# Altium PCB 拼板.PcbDoc (part 1 of 2)
Units mm, origin at the board's own origin, x right, y up, seen from the top; angles counter-clockwise.
Board outline 100 x 100 mm, 2 copper layers (Top Layer, Bottom Layer); 133 components, 40 nets, 713 pads, 79 vias.
Unrouted connection lines stored in the file: 32.
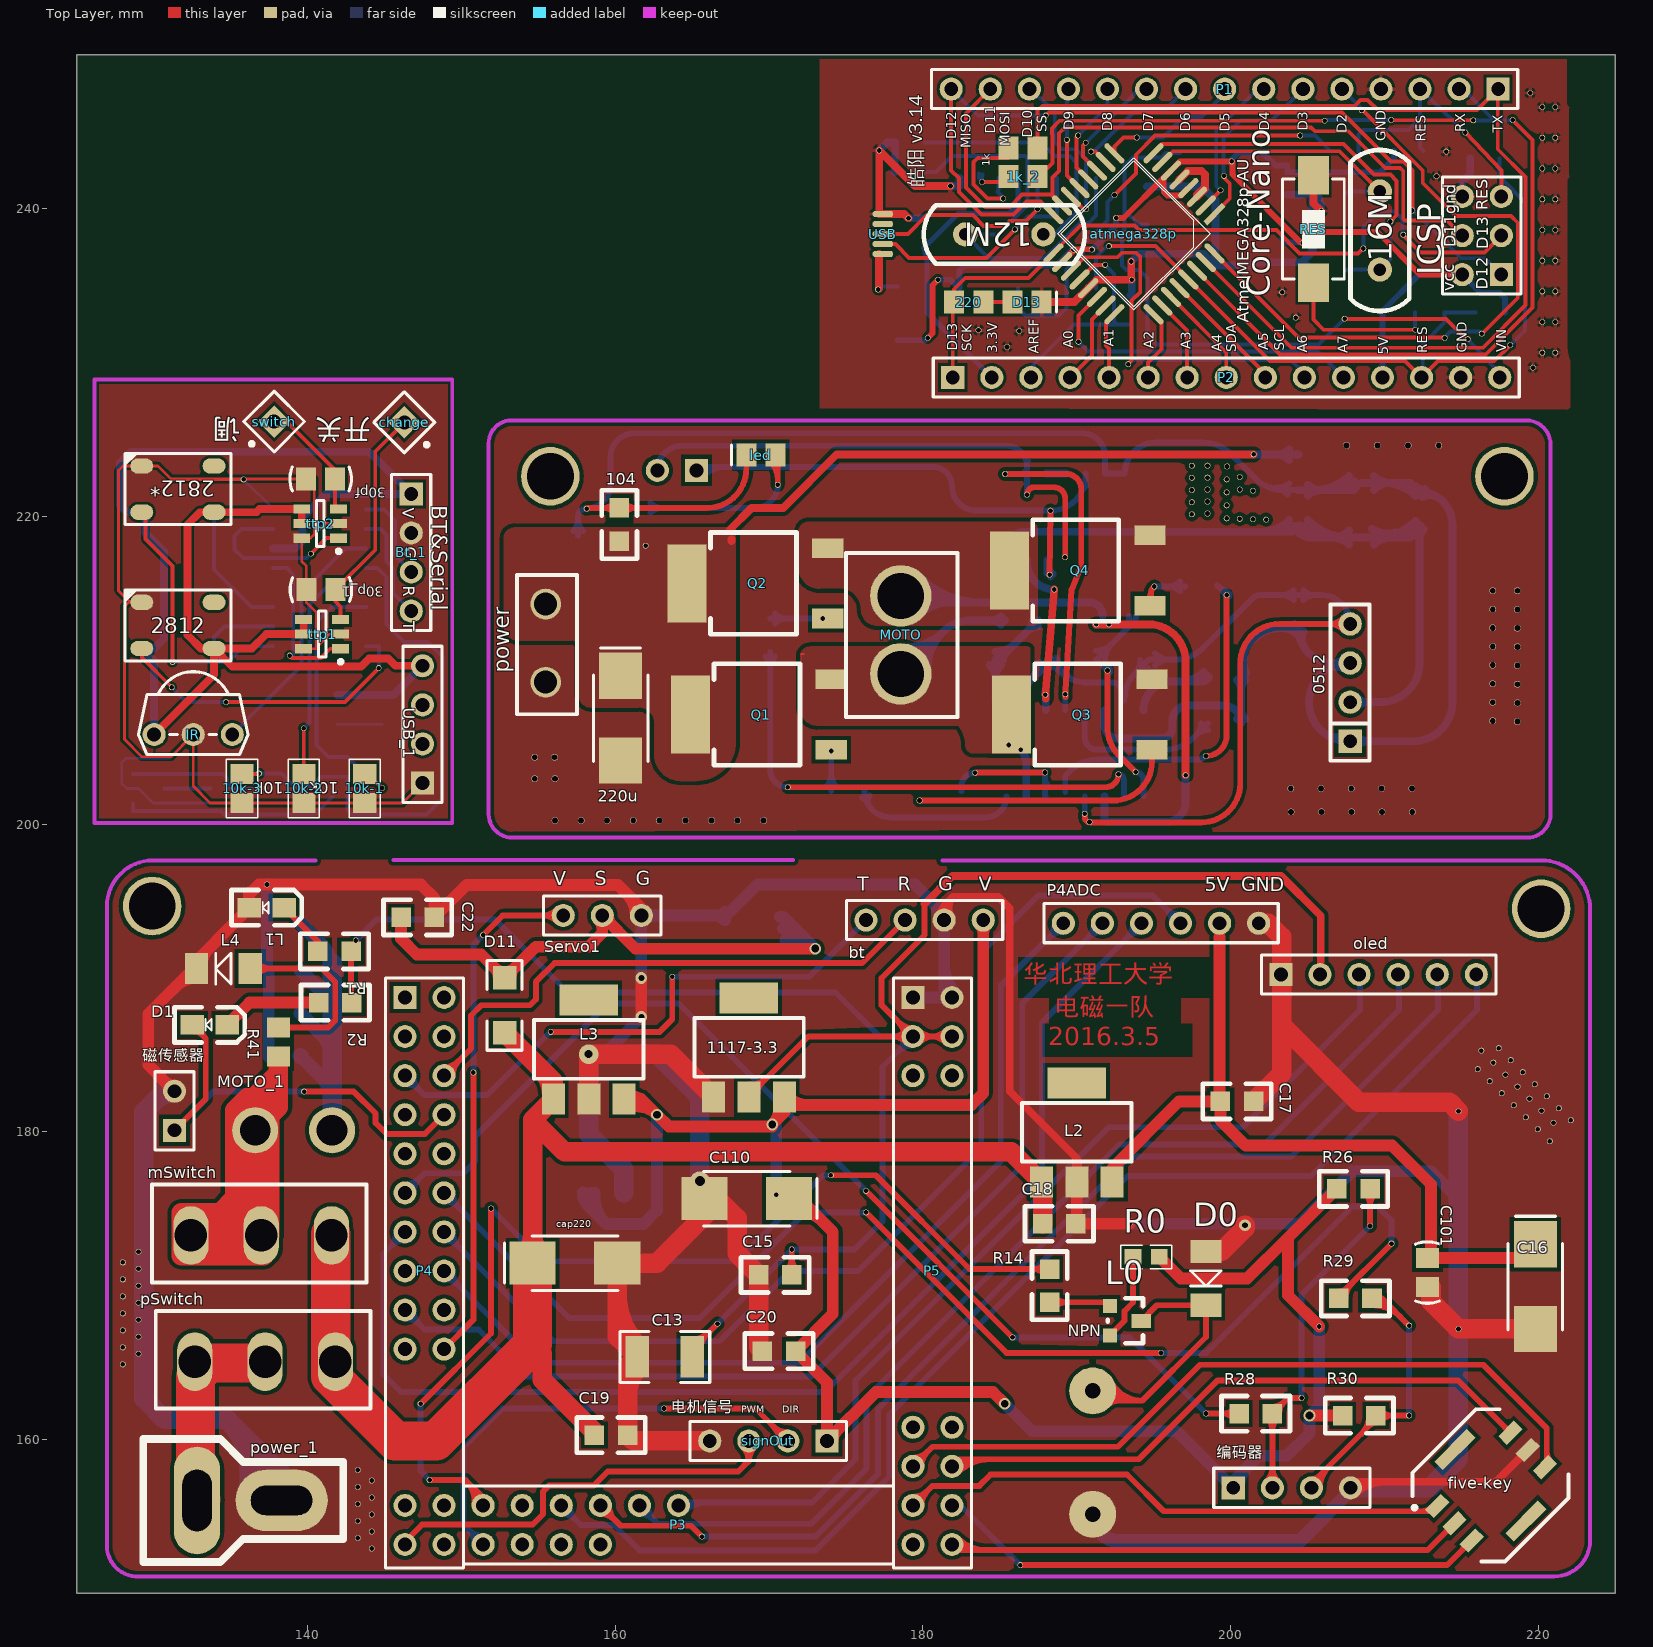
[diagram p0: Top Layer view]
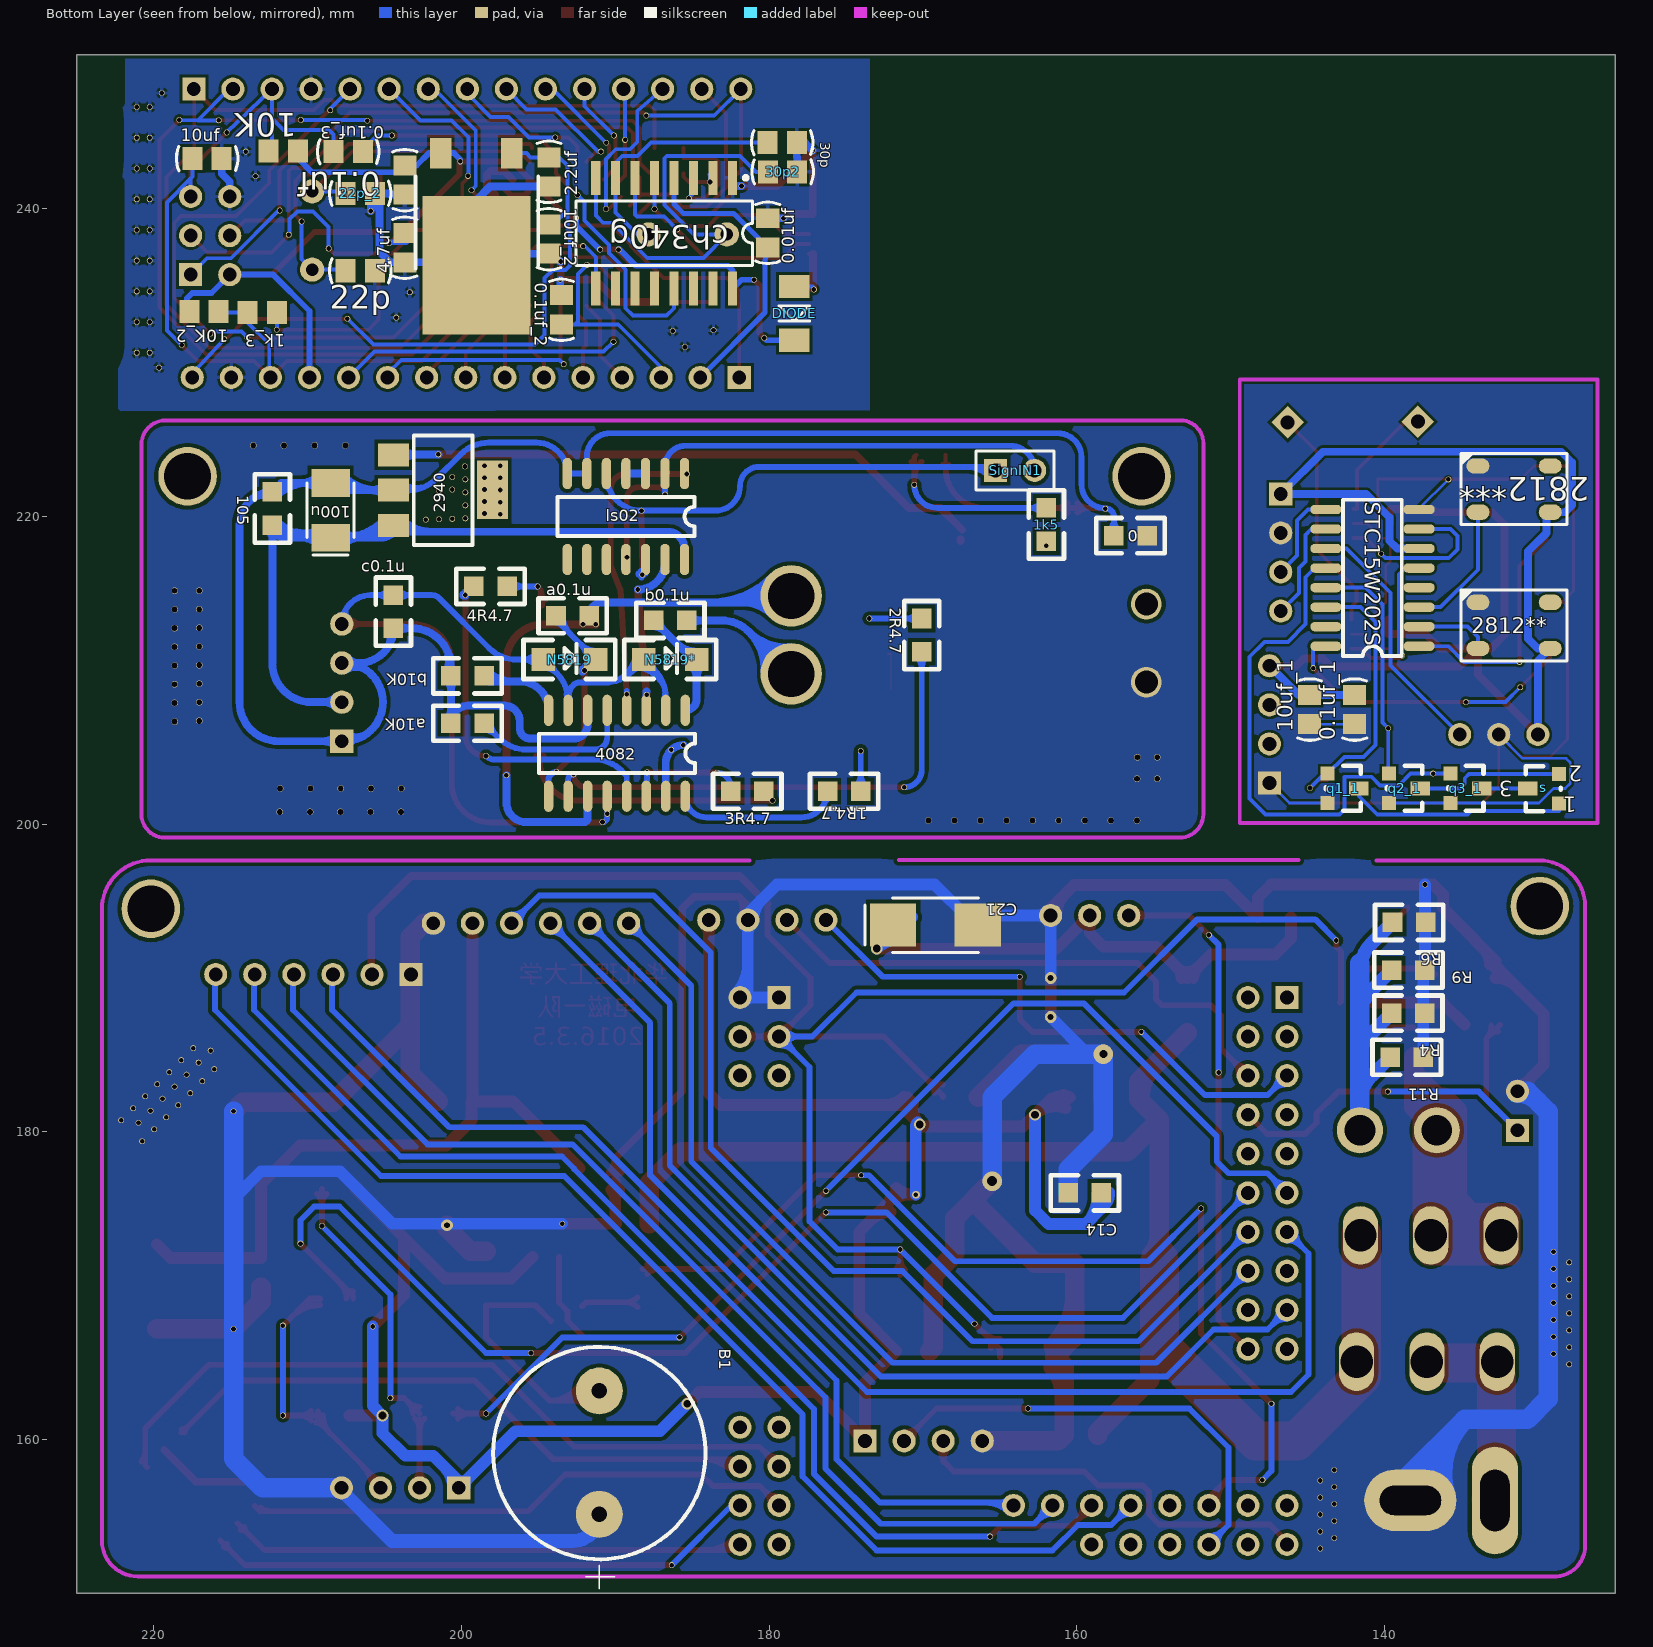
[diagram p1: Bottom Layer view, seen from below]

## Layer stack, top to bottom
Top Layer: signal copper 0.0356
Dielectric: dielectric 0.32, FR-4, Dk 4.8
Bottom Layer: signal copper 0.0356

## Board outline
125,250 225,250 225,150 125,150

## Design rules (kind name [scope] priority, off if disabled: settings)
Clearance [All] p1: gap=0.178
ComponentClearance [All] p1 off: gap=0.254 collisioncheckmode=3 verticalgap=0.254 showdistances=FALSE
PolygonConnect [All] p1: connectstyle=Relief reliefconductorwidth=0.254 reliefentries=4 polygonreliefangle="90 Angle"
RoutingVias [All] p1: holewidth=0.305 width=0.381 viastyle="Through Hole" minholewidth=0.305 minwidth=0.381 maxholewidth=0.305 maxwidth=0.381
SilkscreenOverComponentPads [All] p1: minsilkscreentomaskgap=0.254
SolderMaskExpansion [All] p1: expansion=0.102
Width Width_3 [InNet('3.3V')] p1: maxlimit=0.33 minlimit=0.33 preferedwidth=0.33
Width Width_2 [InNet('VCC')] p2: maxlimit=0.508 minlimit=0.381 preferedwidth=0.381
Width Width_1 [InNet('GND')] p3: maxlimit=0.508 minlimit=0.508 preferedwidth=0.508
Width [InNet('VCC')] p4: maxlimit=0.381 minlimit=0.381 preferedwidth=0.381
26 further rules are at their usual default settings.

## Components (designator, comment, footprint, x,y, rotation, side; value= is the part's Value field where it differs from the comment)
0 "Res2" 0805 157.455,218.745 r180 bottom
0.01uf "Cap" C-RAD-0805 180.086,238.43 r270 bottom
0.1uf "Cap" C-RAD-0805 207.366,243.713 r180 bottom
0.1uf_1 "Cap" C-RAD-0805 141.935,207.442 r90 bottom (schematic designator 0.1uf)
0.1uf_2 "Cap" C-RAD-0805 193.497,233.426 r270 bottom
0.1uf_3 "Cap" C-RAD-0805 203.683,241.859 r270 bottom
1k "Res2" 0805-2 186.512,243.942 r0 top
1k5 "1K5" 0805 161.976,218.516 r90 bottom
1k_2 "Res2" 0805-2 186.512,242.087 r0 top
1k_3 "Res2" 0805-2 212.954,233.248 r0 bottom
1R4.7 "R1" 0805 176.073,202.133 r180 bottom
2.2uf "Cap Pol1" C-RAD-0805 194.31,242.392 r270 bottom
2R4.7 "R2" 0805 170.078,213.233 r270 bottom
3R4.7 "R3" 0805 182.372,202.133 r180 bottom
4.7uf "Cap" C-RAD-0805 203.683,237.465 r270 bottom
4R4.7 "R4" 0805 197.155,215.443 r0 bottom
10K "Res2" 0805-2 211.582,243.764 r0 bottom
10k-1 "Res2" 0805-1 143.713,202.311 r90 top
10k-2 "Res22" 0805-1 139.751,202.311 r90 top
10k-3 "Res23" 0805-1 135.738,202.311 r90 top
10K_2 "Res2" 0805-2 216.738,233.324 r0 bottom
10uf "Cap Pol1" C-RAD-0805 216.535,243.256 r180 bottom
10uf_1 "Cap Pol1" C-RAD-0805 144.856,207.442 r270 bottom (schematic designator 10uf)
10uf_2 "Cap Pol1" C-RAD-0805 194.31,238.023 r270 bottom
12M "XTAL" XTAL 187.96,238.328 r180 top
16M "XTAL" XTAL 209.702,241.249 r270 top
22p "Cap" C-RAD-0805 206.578,235.966 r180 bottom
22p_2 "Cap" C-RAD-0805 206.578,240.995 r180 bottom
30p "Cap" C-RAD-0805 179.146,244.297 r0 bottom
30p2 "Cap" C-RAD-0805 179.121,242.392 r0 bottom
30p_1 "Cap0" C-RAD-0805 140.868,215.24 r180 top (schematic designator 30p)
30pf "Cap" C-RAD-0805 140.843,222.428 r0 top
100u "Cap Pol2" CAP-3528 208.509,220.396 r90 bottom
104 "Cap" 0805 160.274,220.421 r270 top
105 "Cap" 0805 212.293,221.463 r270 bottom
220 "Res2" 0805-2 182.982,233.934 r180 top
220u "CAP 220" CAP-6032 160.35,206.883 r270 top
0512 "金盛阳" SIP4 207.772,205.384 r90 top
1117-3.3 "LM1117" SOT223 166.395,182.245 r0 top
2812 "2812" WS2812 123.917,216.408 r180 top
2812* "2812*" WS2812 123.917,225.273 r180 top
2812** "2812**" WS2812 139.217,216.408 r0 bottom
2812*** "2812***" WS2812 139.217,225.273 r0 bottom
2940 "LM2940" SOT223 204.419,224.003 r270 bottom
4082 "HIP4082" SO-16 185.445,207.391 r270 bottom
a0.1u "0.1u1" 0805 193.726,213.538 r180 bottom
a10K "10K1" 0805 200.558,206.553 r180 bottom
atmega328p "atmega328p" TQFP32 194.564,238.684 r225 top
b0.1u "0.1u2" 0805 185.471,213.233 r0 bottom
B1 "BEEP" BELL 191.033,159.131 r270 bottom
b10K "10K2" 0805 200.558,209.626 r180 bottom
bt "HEADER4" HDR1X4#1 176.301,193.751 r0 top
Bt_1 "He" HDR1X4#2 146.736,221.463 r270 top (schematic designator Bt)
c0.1u "0.1u3" 0805 204.419,212.852 r90 bottom
C13 "Cap Pol1" 1210 163.22,165.354 r180 top
C14 "104" 0805 158.521,176.022 r0 bottom
C15 "105" 0805 171.348,170.688 r180 top
C16 "Cap Pol1" CAP-6032 219.812,169.926 r270 top
C17 "Cap" 0805 201.371,181.966 r180 top
C18 "Cap" 0805 189.814,174.015 r180 top
C19 "510P" 0805 158.775,160.274 r0 top
C20 "510P" 0805 171.602,165.735 r180 top
C21 "220uF" CAP-6032 169.189,193.421 r180 bottom
C22 "1uF" 0805 148.107,193.929 r180 top
C101 "Cap" C-RAD-0805 212.801,170.84 r90 top
C110 "Cap Pol2" CAP-6032 168.554,175.641 r180 top
cap220 "220uf" CAP-6032 157.378,171.45 r0 top
ch340g "ch340g" sop16(2003) 186.817,238.404 r0 bottom
change "CON1" PIN1 146.289,226.111 r225 top
D0 "Diode" DIODE-1206 198.399,172.212 r270 top
D1 "LED0" 0805D 134.772,186.944 r180 top
D11 "1N5819" 1206 152.806,188.214 r90 top
D13 "LED0" LED_0805 186.766,233.934 r0 top
DIODE "Diode" DIODE-1206 178.359,234.95 r270 bottom
five-key "five_key" 五向按键 216.306,154.051 r315 top
ICSP "Header 3X2A" HDR2X3_CEN 217.602,235.712 r90 top
IR "Header 3" HS0038B 132.563,205.816 r180 top
L0 "PNP" PNP 194.183,167.691 r270 top
L1 "LED" 0805D 138.481,194.564 r180 top
L2 "LM2940_2" SOT223 187.706,176.733 r0 top
L3 "LM2940_1" SOT223 155.981,182.118 r0 top
L4 "LED" DIODE-1206 136.271,190.602 r180 top
led "LED" CC2012-0805 169.469,223.977 r0 top
ls02 "74ls02" SO-14 185.496,222.656 r270 bottom
MOTO "电机1" POWER2SS 178.435,214.833 r270 top
MOTO_1 "焊盘" "Con 2接线端子" 139.09,180.086 r0 top (schematic designator MOTO)
mSwitch "电机开关" 开关1 141.3,170.205 r180 top
N5819 "1N5819*" 1206D 194.691,210.693 r180 bottom
N5819* "1N5819" 1206D 188.138,210.693 r180 bottom
oled "Header 6" HDR1X6#1 203.276,190.221 r0 top
P1 "Header 15" HDR1X15 217.399,247.777 r180 top
P2 "Header 15" HDR1X15 181.94,229.032 r0 top
P3 "IDC12" IDC11 151.409,153.162 r0 top
P4 "IDC15" IDC15#1 148.869,188.722 r270 top
P4ADC "Header 6" HDR1X6#2 189.128,193.548 r0 top
P5 "IDC15" IDC15#2 181.889,188.722 r270 top
power "电源焊盘" VIA_2_POWER 155.55,211.734 r90 top
power_1 "电源" T_head 138.311,156.026 r90 top (schematic designator power)
pSwitch "电源开关" 开关1 141.554,162.001 r180 top
Q1 "LR7843" TO-252#1 174.041,204.826 r90 top
q1_1 "RUE002N02" SOT-23 143.688,203.276 r270 bottom (schematic designator q1)
Q2 "LR7843" TO-252#1 173.812,213.36 r90 top
q2_1 "RUE002N02" SOT-23 139.7,203.276 r270 bottom (schematic designator q2)
Q3 "LR7843" TO-252#1 194.894,204.826 r90 top
q3_1 "RUE002N02" SOT-23 135.712,203.276 r270 bottom (schematic designator q3)
Q4 "LR7843" TO-252#1 194.767,214.198 r90 top
R0 "Res1" 0603-1 194.513,171.856 r180 top
R1 "1K5" 0805 142.697,191.719 r180 top
R2 "680" 0805 142.748,188.392 r180 top
R4 "0欧" 0805 137.49,187.706 r0 bottom
R6 "0欧" 0805 137.439,193.599 r0 bottom
R9 "0欧" 0805 137.49,190.5 r0 bottom
R11 "0欧" 0805 137.592,184.836 r0 bottom
R14 "1K" 0805 188.239,169.037 r90 top
R26 "Res2" 0805 208.94,176.276 r180 top
R28 "Res2" 0805 200.685,161.671 r0 top
R29 "Res2" 0805 207.162,169.164 r0 top
R30 "Res2" 0805 207.416,161.544 r0 top
R41 "1K5" 0805-2 138.1,185.826 r90 top
RES "SW-PB" SW_PB2_A1 205.384,238.735 r180 top
s "CON3" SOT-23 128.651,201.346 r90 bottom
Servo1 "舵机接口" HDR1X3 156.616,194.056 r0 top
SignIN1 "Header 2" HDR1X2 165.278,222.987 r180 bottom
signOut "CON4" HDR1X4#2 173.761,159.893 r180 top
STC15W202S "Header 8X2A" SOP-16 137.744,211.557 r0 bottom
switch "CON1" PIN1 137.82,226.162 r135 top
ttp1 "TTP223" SOT23-6 140.945,212.344 r180 top
ttp2 "TTP223" SOT23-6 140.818,219.532 r180 top
USB "USB_M" USB_MICRO 179.934,238.379 r90 top
USB_1 "Header 4" HDR1X4#2 147.472,202.667 r90 top (schematic designator USB)
磁传感器 "Header 2" HDR2X1_A 131.343,180.086 r90 top (schematic designator J1)
编码器 "HEADER4" HDR1X4#2 200.177,156.845 r0 top
? "LM7805" TO-252#2 196.723,243.611 r0 bottom

## Footprints (in the part's own frame and the unit in brackets; to place one, negate y for a bottom-side part, rotate by r counter-clockwise, add the part's x,y. Pads: shape width x height; smd on the part's side, far side on the other; paste and mask are expansions set on the pad)
0603-1 [mm]
  rect 1.1x1 smd: 1(-0.85,0) 2(0.85,0)
  silkscreen extent -1.65,-0.76 1.65,0.76, body extent -1.14,-0.38 1.14,0.38, height 1
0805 [mil]
  rect 50x50 smd: 1(-5,0) 2(80,0)
  silkscreen extent -50,-45 125,45
0805-1 [mm] "贴片"
  rect 1.3x1.5 smd: 1(-0.95,0) 2(0.95,0)
  silkscreen extent -1.91,-1.02 1.91,1.02, body extent -1.14,-0.51 1.14,0.51, height 1
0805-2 [mm] "贴?"
  rect 1.3x1.5 smd: 1(-0.95,0) 2(0.95,0)
0805D [mil]
  rect 60x50 smd: 1(0,0) 2(90,0)
  silkscreen extent -45,-45 135,45
1206 [mil]
  rect 60x60 smd: 1(-70,0) 2(70,0)
  silkscreen extent -115,-45 115,45, body extent -75,-35 75,35, height 39
1206D [mil]
  rect 60x60 smd: 1(0,0) 2(135,0)
  silkscreen extent -50,-50 185,50
1210 [mil]
  rect 60x106.3 smd: 1(-70,0) 2(70,0)
  silkscreen extent -115,-65 115,65, body extent -65,-50 65,50, height 39
BELL [mil]
  round 120 hole 40: 1(158,0) 2(-158,0)
  silkscreen extent -271,-272 348,272
C-RAD-0805 [mm] "贴?"
  rect 1.3x1.5 smd: 1(-0.95,0) 2(0.95,0)
  silkscreen extent -2,-0.79 2,0.79, body extent -1.27,-0.64 1.27,0.64, height 0.9
CAP-3528 [mm] "钽?"
  rect 1.8x2.5 smd: 1(-1.778,0) 2(1.778,0)
  silkscreen extent -2.92,-1.52 1.78,1.52, body extent -1.91,-1.4 1.91,1.4, height 1.1
CAP-6032 [mm]
  rect 3x2.8 smd: 1(-2.75,0) 2(2.75,0)
  silkscreen extent -4.57,-1.78 2.81,1.78, body extent -3.18,-1.65 3.18,1.65, height 1.3
CC2012-0805 [mm] "Chip Capacitor; Body 2.0 x 1"
  rect 1.3x1.5 smd: 1(-0.95,0) 2(0.95,0)
  silkscreen extent -1.9,-0.65 -1.9,0.65
"Con 2接线端子" [mm]
  round 3 hole 2: 1(-2.5,0) 2(2.5,0)
  body extent -5,-2.5 5,5.5, height 1.5
DIODE-1206 [mm]
  rect 1.5x2 smd: 1(0,0) 2(3.5,0)
  silkscreen extent 1.25,-1 2.25,1
HDR1X2 [mm] "Connector; Header; 2 Position"
  rect 1.5x1.5 hole 0.9: 1(0,0)
  round 1.5 hole 0.9: 2(2.54,0)
  silkscreen extent -1.27,-1.27 3.81,1.27
HDR1X3 [mm] "Connector; Header; 3 Position"
  round 1.5 hole 0.9: 1(0,0) 2(2.54,0) 3(5.08,0)
  silkscreen extent -1.27,-1.27 6.35,1.27
HDR1X4#1 [mm] "Connector; Heade"
  round 1.5 hole 0.9: 1(0,0) 2(2.54,0) 3(5.08,0) 4(7.62,0)
  silkscreen extent -1.27,-1.27 8.89,1.27
HDR1X4#2 [mm] "Connector; Header; 4 Position"
  rect 1.5x1.5 hole 0.9: 1(0,0)
  round 1.5 hole 0.9: 2(2.54,0) 3(5.08,0) 4(7.62,0)
  silkscreen extent -1.27,-1.27 8.89,1.27
HDR1X6#1 [mm] "Connector; Header; 6 Position"
  rect 1.5x1.5 hole 0.9: 1(0,0)
  round 1.5 hole 0.9: 2(2.54,0) 3(5.08,0) 4(7.62,0) 5(10.16,0) 6(12.7,0)
  silkscreen extent -1.27,-1.27 13.97,1.27
HDR1X6#2 [mm]
  round 1.5 hole 0.9: 1(0,0) 2(2.54,0) 3(5.08,0) 4(7.62,0) 5(10.16,0) 6(12.7,0)
  silkscreen extent -1.27,-1.27 13.97,1.27, body extent -1.27,-2.72 13.97,2.28, height 8.5
HDR1X15 [mm] "Connector; Header; 15 Position"
  rect 1.5x1.5 hole 0.9: 1(0,0)
  round 1.5 hole 0.9: 2(2.54,0) 3(5.08,0) 4(7.62,0) 5(10.16,0) 6(12.7,0) 7(15.24,0) 8(17.78,0) 9(20.32,0) 10(22.86,0) 11(25.4,0) 12(27.94,0) 13(30.48,0) 14(33.02,0) 15(35.56,0)
  silkscreen extent -1.27,-1.27 36.83,1.27
HDR2X1_A [mm] "Connector; Header;"
  rect 1.5x1.5 hole 0.9: 1(0,0)
  round 1.5 hole 0.9: 2(2.54,0)
  silkscreen extent -1.27,-1.27 3.81,1.27
HDR2X3_CEN [mm] "Connector; Header; 3x2 Position"
  rect 1.5x1.5 hole 0.9: 1(0,0)
  round 1.5 hole 0.9: 2(2.54,0) 3(5.08,0) 4(0,2.54) 5(2.54,2.54) 6(5.08,2.54)
  silkscreen extent -1.27,-1.27 6.35,3.81
HS0038B [mm] "红外接"
  round 1.5 hole 0.9: 1(-2.54,0) 2(0,0) 3(2.54,0)
  silkscreen extent -3.56,-4.08 3.56,1.3
IDC11 [mm]
  round 1.5 hole 0.9: 1(0,0) 2(0,2.54) 3(2.54,0) 4(2.54,2.54) 5(5.08,0) 6(5.08,2.54) 7(7.62,0) 8(7.62,2.54) 10(10.16,2.54) 12(12.7,2.54)
  round 1.5 on Top Overlay: 9(10.16,0) 11(12.7,0) 13(15.24,0) 14(15.24,2.54) 15(17.78,0) 16(17.78,2.54) 17(20.32,0) 18(20.32,2.54) 19(22.86,0) 20(22.86,2.54) 21(25.4,0) 22(25.4,2.54)
  silkscreen extent -1.27,-1.27 26.67,3.81
IDC15#1 [mm]
  rect 1.5x1.5 hole 0.9: 1(0,-2.54)
  round 1.5 hole 0.9: 2(0,0) 3(2.54,-2.54) 4(2.54,0) 5(5.08,-2.54) 6(5.08,0) 7(7.62,-2.54) 8(7.62,0) 9(10.16,-2.54) 10(10.16,0) 11(12.7,-2.54) 12(12.7,0) 13(15.24,-2.54) 14(15.24,0) 15(17.78,-2.54) 16(17.78,0) 17(20.32,-2.54) 18(20.32,0) 19(22.86,-2.54) 20(22.86,0) 27(33.02,-2.54) 28(33.02,0) 29(35.56,-2.54) 30(35.56,0)
  round 1.5 on Top Overlay: 21(25.4,-2.54) 22(25.4,0) 23(27.94,-2.54) 24(27.94,0) 25(30.48,-2.54) 26(30.48,0)
  silkscreen extent -1.27,-3.81 37.08,1.27
IDC15#2 [mm]
  rect 1.5x1.5 hole 0.9: 1(0,-2.54)
  round 1.5 hole 0.9: 2(0,0) 3(2.54,-2.54) 4(2.54,0) 5(5.08,-2.54) 6(5.08,0) 23(27.94,-2.54) 24(27.94,0) 25(30.48,-2.54) 26(30.48,0) 27(33.02,-2.54) 28(33.02,0) 29(35.56,-2.54) 30(35.56,0)
  round 1.5 on Top Overlay: 7(7.62,-2.54) 8(7.62,0) 9(10.16,-2.54) 10(10.16,0) 11(12.7,-2.54) 12(12.7,0) 13(15.24,-2.54) 14(15.24,0) 15(17.78,-2.54) 16(17.78,0) 17(20.32,-2.54) 18(20.32,0) 19(22.86,-2.54) 20(22.86,0) 21(25.4,-2.54) 22(25.4,0)
  silkscreen extent -1.27,-3.81 37.08,1.27
LED_0805 [mm]
  rect 1.3x1.5 smd: 1(-0.95,0) 2(0.95,0)
  silkscreen extent 1.91,-0.64 1.91,0.64
PIN1 [mm] "Generi"
  rect 1.5x1.5 hole 0.9: 1(0,0)
  silkscreen extent -1.4,-1.4 1.4,2.17